# Altium PCB PCB_Amplifier_mini.PcbDoc (part 2 of 2) (continued)
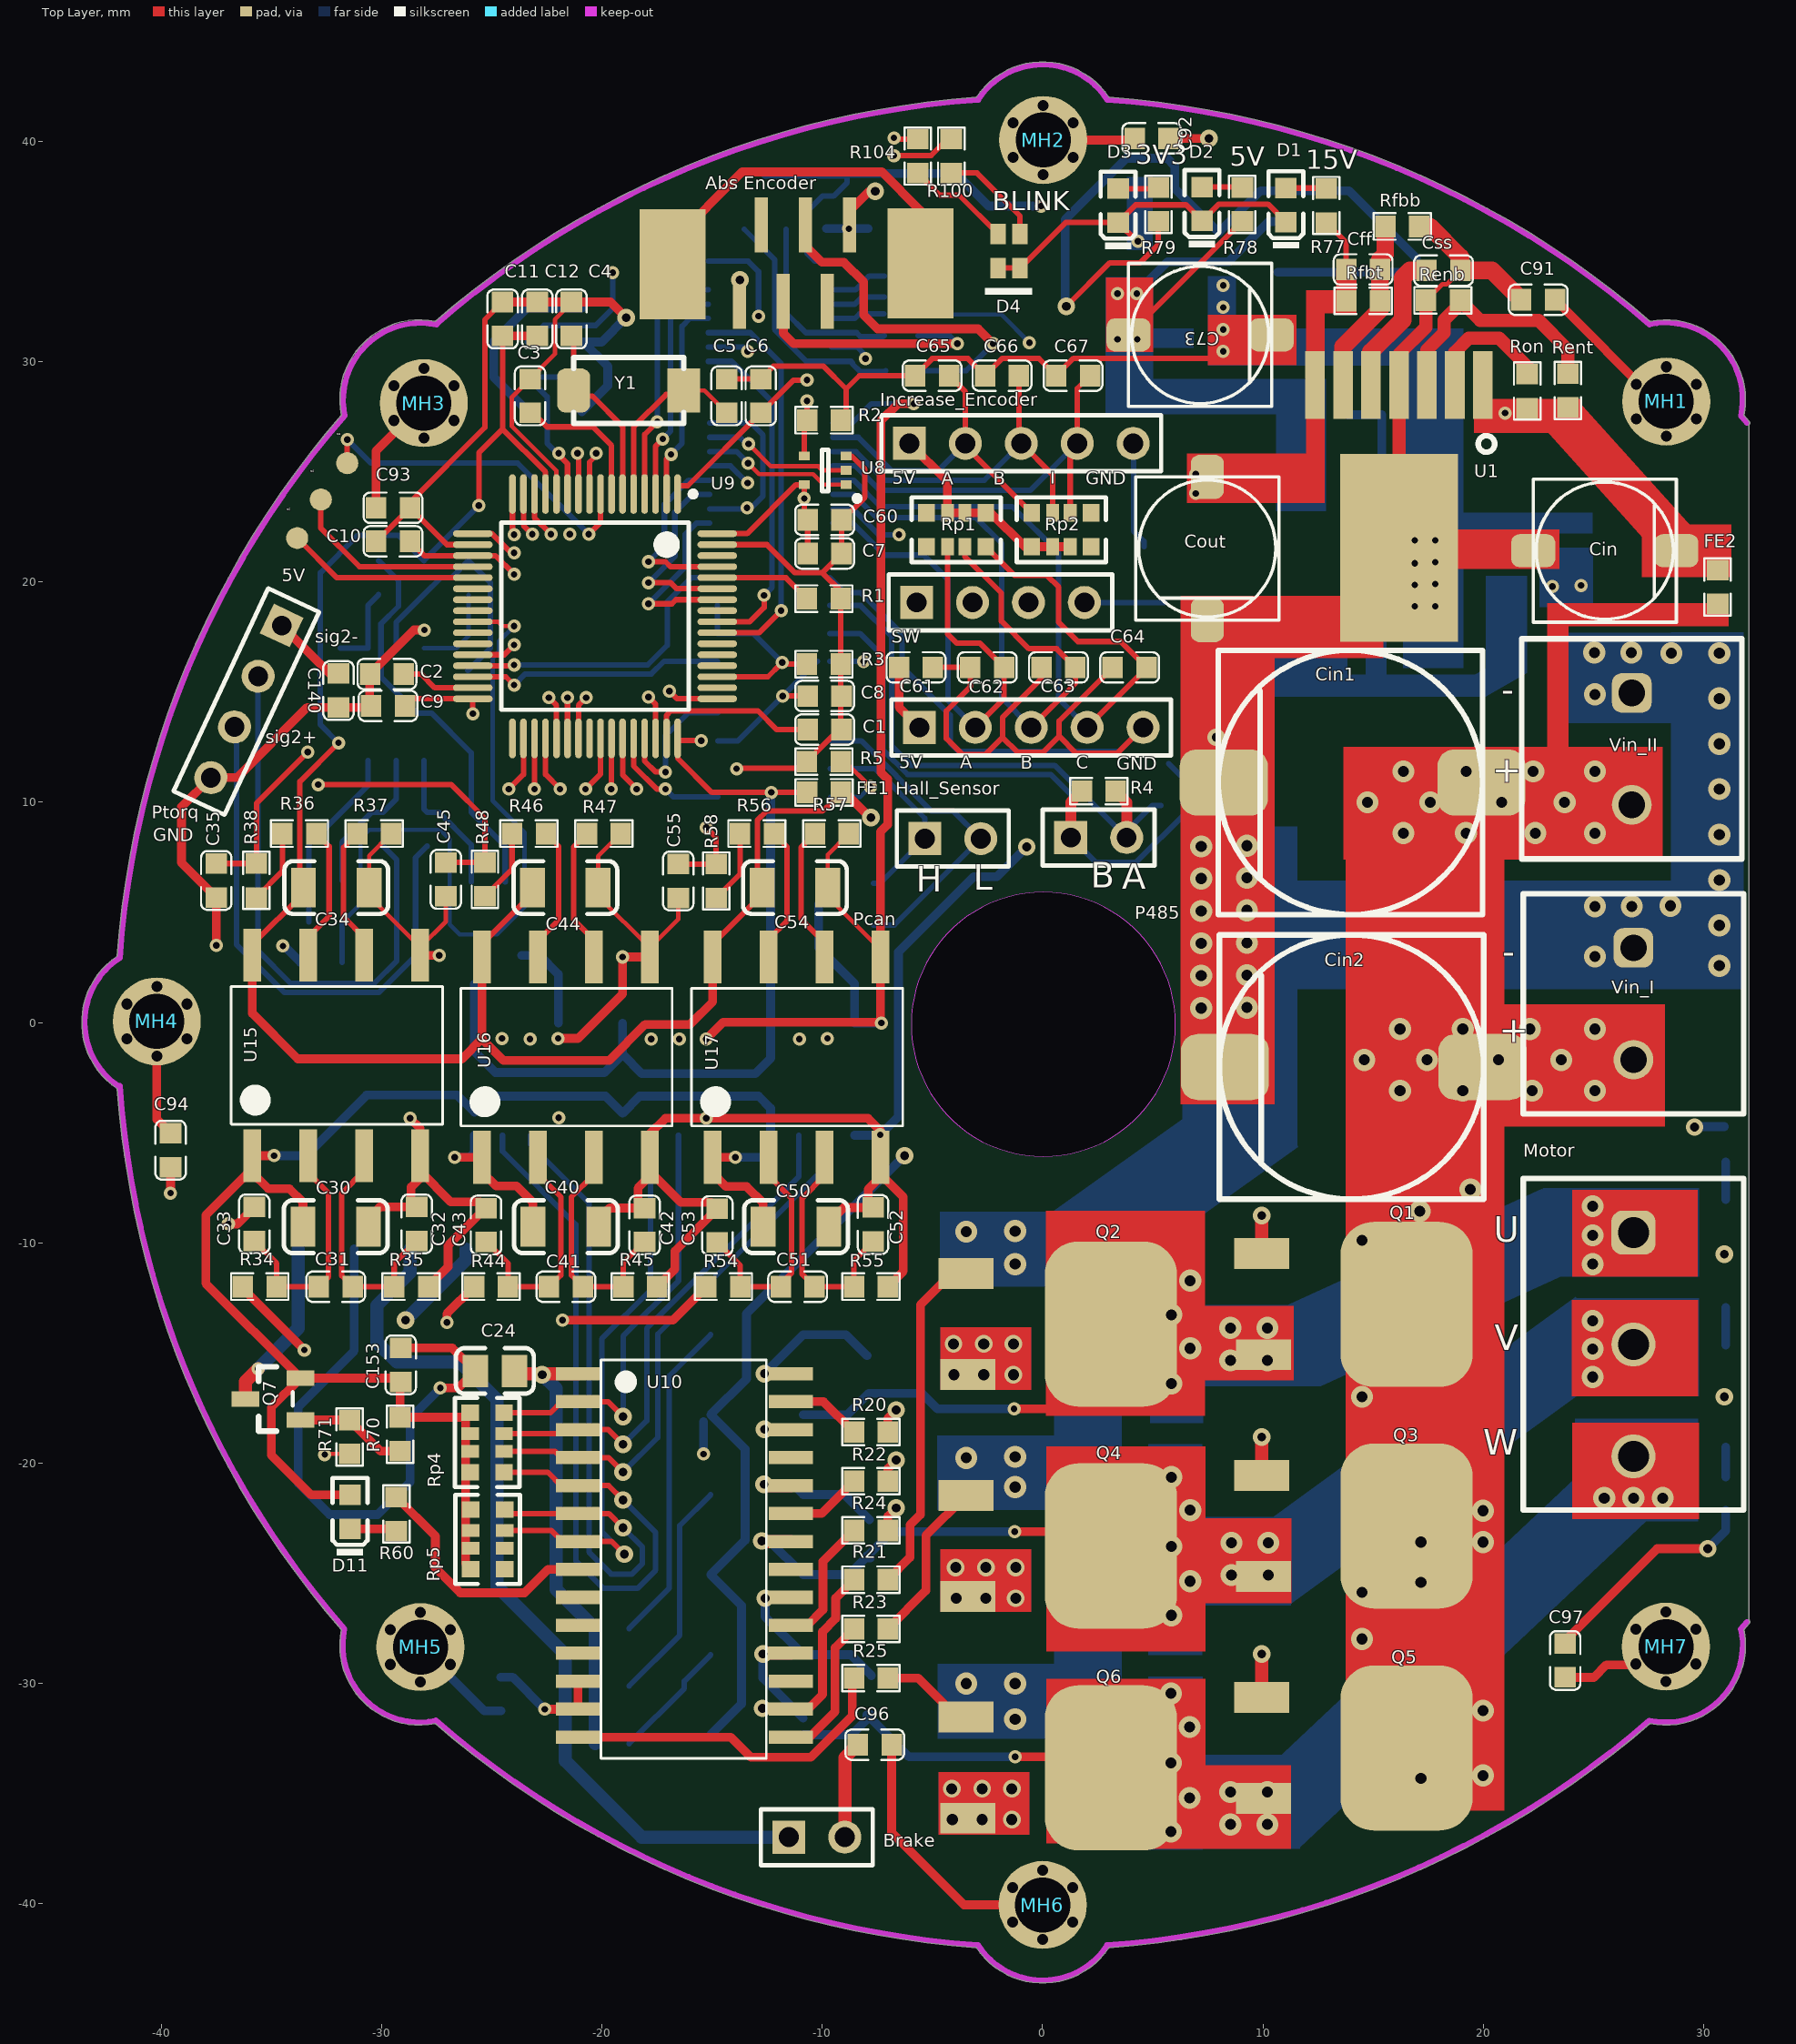
[diagram p0: Top Layer view]
## Nets (pads, with @x,y where several pads share a name; then routed paths per layer and width w, separated by ;. In a path a pad name is that pad's centre, name@x,y a point inside that pad or via, vN(x,y) a via of type N, cw(c..) or ccw(c..) an arc to the next point about the centre after c; other vN are vias at no path point) (continued)
NetCff_1: Cff.1 Rfbb.2 Rfbt.1 U1.6 | length 8.7
  Top Layer w0.8: U1.6@13.635,28.225 13.635,30.685 15.32,32.37 15.32,34.645 15.555,34.88 Rfbb.2@15.555,36.15
NetCo1_1: Co1.1 R31.2 | length 1.7
  Bottom Layer w0.4: Co1.1@31.02,-8.05 R31.2@31.02,-6.34
NetCo3_1: Co3.1 R32.2 | length 1.7
  Bottom Layer w0.4: Co3.1@31.02,-14.65 R32.2@31.02,-12.94
NetCo5_1: Co5.1 R33.2 | length 1.4
  Bottom Layer w0.4: Co5.1@31.02,-20.65 R33.2@31.02,-19.29
NetCss_2: Css.2 U1.5 | length 7.4
  Top Layer w0.8: U1.5@14.905,28.225 14.905,30.455 16.345,31.895 16.345,33.82 16.675,34.15 Css.2@17.43,34.15
NetD1_A: D1.A R77.1 | length 1.8
  Top Layer w0.25: D1.A@11.047,37.895 R77.1@12.85,37.895
NetD2_A: D2.A R78.1 | length 1.8
  Top Layer w0.25: D2.A@7.236,37.945 R78.1@9.039,37.945
NetD3_A: D3.A R79.1 | length 1.8
  Top Layer w0.25: D3.A@3.425,37.87 R79.1@5.203,37.87
NetD4_1: D4.1 R100.1 | length 4.8
  Top Layer w0.25: R100.1@-4.15,38.58 -2.98,38.58 -1.025,36.625 D4.1@-1.025,35.8
NetD4_2: D4.2 R104.1 | length 4.8
  Top Layer w0.25: R104.1@-5.675,38.58 -4.67,37.575 -3.8,37.575 D4.2@-2.025,35.8
NetD5_1: D5.1 R12.2 | length 14.9
  Bottom Layer w0.25: R12.2@-18.78,-27.525 -16.95,-25.695 -16.95,-16.05 D5.1@-15.075,-14.175
NetD7_1: D7.1 R13.2 | length 10.2
  Bottom Layer w0.25: R13.2@-18.78,-30.138 -16.475,-27.833 -16.475,-22.845 D7.1@-15.075,-21.445
NetD9_1: D9.1 R14.2 | length 5.6
  Bottom Layer w0.25: R14.2@-18.78,-32.75 -16.275,-30.245 -16.275,-29.915 D9.1@-15.075,-28.715
NetD11_K: D11.K R60.1 | length 2
  Top Layer w0.4: D11.K@-31.45,-22.995 R60.1@-29.45,-22.995
NetP485_1: P485.1 R4.1 U27.7 U29.2 | length 29.9
  Top Layer w0.5: P485.1@1.275,8.4 1.275,9.995 R4.1@1.78,10.5
  Bottom Layer w0.25: U27.7@-9.675,17.67 -8.295,17.67 -7.26,16.635 -7.26,12.39 -6.135,11.265 0.37,11.265 1.275,10.36 P485.1@1.275,8.4 2.4,7.275 4.25,7.275 6.45,9.475 6.45,11.025 U29.2@5.725,11.75
NetP485_2: P485.2 R4.2 U27.6 U29.1 | length 25.4
  Top Layer w0.5: R4.2@3.32,10.5 3.815,10.005 P485.2@3.815,8.4
  Bottom Layer w0.25: U27.6@-9.675,18.94 -8.265,18.94 -6.85,17.525 -6.85,12.56 -5.965,11.675 0.54,11.675 P485.2@3.815,8.4 3.815,8.69 4.975,9.85 U29.1@5.375,9.85
NetPcan_1: Pcan.1 U26.7 U28.1 | length 9.3
  Bottom Layer w0.25: U26.7@-9.65,11.52 -7.595,11.52 -5.35,9.275 Pcan.1@-5.35,8.35 -7.375,6.325 U28.1@-7.675,6.325
NetPcan_2: Pcan.2 U26.6 U28.2 | length 15.2
  Bottom Layer w0.25: U26.6@-9.65,12.79 -8.24,12.79 -5.05,9.6 -4.06,9.6 Pcan.2@-2.81,8.35 -6.735,4.425 U28.2@-7.675,4.425
NetQ1_1: Q1.1 R20.2 | length 27.7
  Top Layer w0.4: R20.2@-7.03,-18.6 -7.03,-17.98 v4(-6.65,-17.6)
  Top Layer w0.6: Q1.1@9.95,-10.5 v4(9.95,-8.775)
  VDD w0.4: v4(-6.65,-17.6) -6.65,-10.8 -3.925,-8.075 9.25,-8.075 v4(9.95,-8.775)
NetQ2_1: Q2.1 R21.2 | length 15.8
  Top Layer w0.4: R21.2@-7.03,-25.305 -6.025,-24.3 -6.025,-22.825 -5.55,-22.35 -5.55,-12.825 -4.125,-11.4 Q2.1@-3.475,-11.4
NetQ3_1: Q3.1 R22.2 | length 20.1
  Top Layer w0.4: R22.2@-7.03,-20.835 -7.03,-20.255 v4(-6.65,-19.875)
  Top Layer w0.6: Q3.1@9.95,-20.575 v4(9.95,-18.825)
  VDD w0.4: v4(-6.65,-19.875) -5.325,-18.55 9.675,-18.55 v4(9.95,-18.825)
NetQ4_1: Q4.1 R23.2 | length 7.5
  Top Layer w0.4: R23.2@-7.03,-27.54 -5.3,-25.81 -5.3,-23.3 Q4.1@-3.475,-21.475
NetQ5_1: Q5.1 R24.2 | length 24.5
  Top Layer w0.4: R24.2@-7.03,-23.07 -7.03,-22.43 v4(-6.65,-22.05)
  Top Layer w0.6: Q5.1@9.95,-30.65 v4(9.95,-28.675)
  VDD w0.4: v4(-6.65,-22.05) -6.65,-25.5 -3.475,-28.675 v4(9.95,-28.675)
NetQ6_1: Q6.1 R25.2 | length 4.3
  Top Layer w0.4: R25.2@-7.03,-29.775 -5.65,-29.775 -3.875,-31.55 Q6.1@-3.475,-31.55
NetQ7_1: Q7.1 R70.1 R71.2 | length 5.1
  Top Layer w0.4: Q7.1@-33.7,-18.05 -31.48,-18.05 R71.2@-31.475,-18.055 -30.06,-19.47 R70.1@-29.175,-19.47
NetQ7_3: Q7.3 U21.1 | length 7.8
  Top Layer w0.6: Q7.3@-36.2,-17.1 -36.2,-16.3 v1(-35.625,-15.725)
  Bottom Layer w0.6: v1(-35.625,-15.725) -33.8,-13.9 U21.1@-33.8,-10.29
NetR1_2: R1.2 U9.60 | length 4.5
  Top Layer w0.25: U9.60@-14.775,20.2 -11.655,20.2 R1.2@-10.705,19.25
NetR5_1: R5.1 U26.8 | length 3.8
  Top Layer w0.2: R5.1@-9.165,11.85 -8.975,11.85 v1(-7.825,10.7)
  Bottom Layer w0.2: U26.8@-9.65,10.25 -8.275,10.25 v1(-7.825,10.7)
NetR36_1: R36.1 U15.7 | length 5.3
  Top Layer w0.25: U15.7@-33.345,3.88 -32.4,4.825 -32.4,7.995 R36.1@-32.98,8.575
NetR36_2: R36.2 R38.1 | length 3.4
  Top Layer w0.25: R38.1@-35.7,5.68 -34.52,6.86 R36.2@-34.52,8.575
NetR37_1: R37.1 U15.6 | length 5.4
  Top Layer w0.25: R37.1@-31.12,8.575 -31.75,7.945 -31.75,4.8 U15.6@-30.805,3.855
NetR46_1: R46.1 U16.7 | length 5.5
  Top Layer w0.25: U16.7@-22.92,3.705 -21.975,4.65 -21.975,7.995 R46.1@-22.555,8.575
NetR46_2: R46.2 R48.1 | length 3.4
  Top Layer w0.25: R48.1@-25.325,5.73 -24.095,6.96 R46.2@-24.095,8.575
NetR47_1: R47.1 U16.6 | length 5.5
  Top Layer w0.25: R47.1@-20.695,8.575 -21.3,7.97 -21.3,4.675 U16.6@-20.38,3.755
NetR56_1: R56.1 U17.7 | length 5.4
  Top Layer w0.25: U17.7@-12.445,3.78 -11.6,4.625 -11.6,7.97 R56.1@-12.205,8.575
NetR56_2: R56.2 R58.1 | length 3.4
  Top Layer w0.25: R58.1@-14.825,5.655 -13.745,6.735 R56.2@-13.745,8.575
NetR57_1: R57.1 U17.6 | length 5.6
  Top Layer w0.25: R57.1@-10.345,8.575 -10.975,7.945 -10.975,4.7 U17.6@-9.905,3.63
NetR60_2: R60.2 U10.8 | length 11.3
  Top Layer w0.4: R60.2@-29.35,-21.555 -27.575,-23.33 -27.575,-24.775 -26.45,-25.9 -23.525,-25.9 -22.465,-24.84 U10.8@-21.1,-24.84
NetR75_1: R75.1 R76.2 U.4 | length 5.5
  Bottom Layer w0.4: R75.1@13.85,27.6 R76.2@15.4,27.6 15.4,24.105 U.4@15.1,23.805
NetR81_1: R81.1 U19.16 U20.2 | length 11
  Bottom Layer w0.25: U20.2@-13.55,36.025 -12.175,34.65 -12.175,31.475 -10.725,30.025 U19.16@-9.575,30.025 -8.7,30.025 -8.635,29.96 -8.635,29.908 -8.292,29.565 -7.155,29.565 R81.1@-7.12,29.6
NetR87_1: R87.1 U22.1 U22.2 | length 3.9
  Bottom Layer w0.25: U22.1@-31.9,17 U22.2@-30.63,17 -30.63,18.95 R87.1@-30.15,19.43
NetR100_2: R100.2 U9.9 | length 25.6
  Top Layer w0.25: U9.9@-20.575,24 -20.575,25.45 v1@-20.275,25.75 ; v1(-6.755,39.37) -5.067,39.37 -4.317,40.12 R100.2@-4.15,40.12
  GND w0.25: v1(-20.275,25.85) -20.275,28.725 -9.63,39.37 v1(-6.755,39.37)
NetR101_1: R101.1 R102.2 R103.2 | length 8.4
  Bottom Layer w0.4: R103.2@-23.4,27.78 -24.925,29.305 -24.925,30.92 R101.1@-23.4,32.445 R102.2@-20.925,32.445
NetR104_2: R104.2 U9.10 | length 24.9
  Top Layer w0.25: U9.10@-21.075,24 v1@-21.075,25.85 ; v1(-6.75,40.175) -6.75,40.125 -6.745,40.12 R104.2@-5.675,40.12
  GND w0.25: v1@-21.075,25.85 -21.075,28.725 -9.63,40.17 -6.755,40.17 v1(-6.75,40.175)
  other v1: -21.125,25.85
NetRenb_2: Renb.2 Rent.2 U1.3 | length 11.4
  Top Layer w0.6: U1.3@17.445,28.95 17.445,30.545 18.225,31.325 18.225,31.909 18.945,32.629 Renb.2@18.945,32.8 19.87,31.875 22.525,31.875 23.85,30.55 Rent.2@23.85,29.47
NetRon_2: Ron.2 U1.2 | length 6.6
  Top Layer w0.6: U1.2@18.715,28.225 18.715,30.44 19.35,31.075 20.725,31.075 22,29.8 Ron.2@22,29.445
NetRp3_1: Rp3.1 U19.14 U20.1 | length 8.7
  Bottom Layer w0.25: U20.1@-11.65,36.025 -11.65,32.225 -10.75,31.325 U19.14@-9.575,31.325 -8.45,31.325 -8.275,31.15 -7.245,31.15 Rp3.1@-7.195,31.2
NetRp3_2: Rp3.2 U19.13 | length 2.4
  Bottom Layer w0.25: U19.13@-9.575,31.975 -8.525,31.975 -8.325,32.175 Rp3.2@-7.22,32.175
NetRp3_3: Rp3.3 U19.12 | length 2.5
  Bottom Layer w0.25: U19.12@-9.575,32.625 -8.525,32.625 -8.2,32.95 Rp3.3@-7.195,32.95
NetRp3_4: Rp3.4 U19.11 | length 2.6
  Bottom Layer w0.25: U19.11@-9.575,33.275 -8.5,33.275 -7.875,33.9 Rp3.4@-7.195,33.9
Nettp3_1: tp3.1 U9.8 | length 15.9
  Top Layer w0.25: tp3.1@-31.575,25.4 v1(-31.575,26.475) ; v1(-20.612,22.175) -20.075,22.712 U9.8@-20.075,24
  Bottom Layer w0.25: v1(-31.575,26.475) -30.5,25.4 -23.838,25.4 v1(-20.612,22.175)
OPEN_SIG: Rp3.5
REF_165: C86.2 R87.2 R96.2 | length 18
  Bottom Layer w0.25: R87.2@-30.15,20.97 -29.25,20.07 -29.25,18.9 -30.045,18.105 -30.045,15.695 -28.4,14.05 -27.75,14.05 -25.95,12.25 R96.2@-25.95,9.545 -24.405,8 C86.2@-24.405,6.375
RS485_SIG: R3.1 U9.51 U27.2 U27.3 | length 9.1
  Top Layer w0.25: U9.51@-14.775,15.7 -12.475,15.7 -11.9,16.275 R3.1@-10.705,16.275
  Bottom Layer w0.25: U27.3@-14.775,18.94 U27.2@-14.775,17.67 -13.145,17.67 v1(-11.825,16.35)
SEN_1_RAW: Q2.3 R26.2 R54.1 | length 25.4
  Top Layer w0.4: v1(-21.8,-13.525) -16.795,-13.525 R54.1@-15.27,-12
  GND w0.4: v1(-21.8,-13.525) -5.125,-13.525 v3(-4.05,-14.6)
  other v3: -4.025,-16 -2.675,-16 -1.325,-16 -2.675,-14.6 -1.325,-14.6
SEN_2_RAW: Q4.3 R27.2 R44.1 | length 33.9
  Top Layer w0.4: v1(-27.05,-13.625) -27.05,-13.23 R44.1@-25.82,-12
  GND w0.4: v1(-27.05,-13.625) -26.4,-14.275 -7.45,-14.275 -4.775,-16.95 -4.775,-23.925 v3(-3.95,-24.75)
  other v3: -3.925,-26.15 -2.575,-26.15 -1.225,-26.15 -2.575,-24.75 -1.225,-24.75
SEN_3_RAW: Q6.3 R28.2 R34.1 | length 51.1
  Top Layer w0.4: R34.1@-36.32,-12 -36.32,-12.08 v1@-33.5,-14.9
  GND w0.4: v1(-33.525,-14.875) -33.3,-15.1 -7.85,-15.1 -5.725,-17.225 -5.725,-33.2 v3(-4.125,-34.8)
  other v3: -4.1,-36.2 -2.75,-36.2 -1.4,-36.2 -2.75,-34.8 -1.4,-34.8
SIG_2_+: C85.1 Ptorq.3 R95.2 R98.1 | length 25.4
  Bottom Layer w0.25: Ptorq.3@-36.697,13.421 -36.246,13.421 -36.6,13.067 -36.6,3.525 -34.44,1.365 -30.135,1.365 -28.475,3.025 -28.475,7.48 R95.2@-27.95,8.005
SIG_2_-: C85.2 Ptorq.2 R94.2 R98.2 | length 25.3
  Bottom Layer w0.25: Ptorq.2@-35.623,15.723 -35.623,3.248 -34.15,1.775 -30.35,1.775 -29.325,2.8 -29.325,7.38 R94.2@-29.95,8.005
SPI1_CLK: U9.55 U19.3 | length 18.4
  Top Layer w0.25: U9.55@-14.775,17.7 -12.875,17.7 v1(-11.875,18.7)
  Bottom Layer w0.25: U19.3@-15.175,31.325 -13.275,31.325 -11.875,29.925 v1(-11.875,18.7)
SPI1_MISO: U9.56 U19.1 | length 15.5
  Top Layer w0.25: U9.56@-14.775,18.2 -13.3,18.2 -12.65,18.85 v1(-12.65,19.4)
  Bottom Layer w0.25: U19.1@-15.175,30.025 -14.125,30.025 -12.285,28.185 -12.285,19.765 v1(-12.65,19.4)
SPI1_MOSI: U9.57
SSI_CLK: "Abs Encoder.4" Rp3.8 | length 11.5
  Top Layer w0.4: -11.775,32.75 -11.775,31.3 -11.3,30.825 v1(-3.875,30.825)
  Bottom Layer w0.25: Rp3.8@-5.655,31.2 -4.25,31.2 v1(-3.875,30.825)
SSI_DATA: "Abs Encoder.3" R81.2 | length 16
  Top Layer w0.4: -10.775,36.225 -10.775,35.275 -10.025,34.525 -9.025,34.525 -8.125,33.625 -8.125,32.125 -7.5,31.5 -2.925,31.5 v1(-2.25,30.825)
  Bottom Layer w0.25: R81.2@-5.58,29.6 -3.475,29.6 v1(-2.25,30.825)
SWCLK: SW.2 U9.49 | length 17.8
  Top Layer w0.25: v1(-16.95,15.05) -16.6,14.7 U9.49@-14.775,14.7
  GND w0.25: v1(-16.95,15.05) -14.4,17.6 -4.66,17.6 SW.2@-3.185,19.075
SWDIO: SW.3 U9.46 | length 21.4
  Top Layer w0.25: v1(-17.9,14.775) -17.575,14.45 U9.46@-17.575,12.9
  GND w0.25: v1(-17.9,14.775) -17.525,14.4 -16.75,14.4 -14.075,17.075 -2.645,17.075 SW.3@-0.645,19.075
TIM1_CH1: U9.41 U12.3 | length 15.7
  Top Layer w0.25: v1(-20.755,10.6) -20.075,11.28 U9.41@-20.075,12.9
  VDD w0.25: v1(-20.755,10.6) -16.925,6.77 -16.925,-0.325 v1(-16.5,-0.75)
TIM1_CH1N: U9.34 U13.2 | length 20.8
  Top Layer w0.25: v1(-24.235,10.6) -23.575,11.26 U9.34@-23.575,12.9
  VDD w0.25: v1(-24.55,-0.725) -23.15,0.675 -19.775,0.675 -18.425,2.025 -18.425,4.79 v1(-24.235,10.6)
TIM1_CH2: U9.42 U11.2 | length 18.9
  Top Layer w0.25: v1@-19.575,10.6 U9.42@-19.575,12.9
  VDD w0.25: v1(-19.595,10.6) -16.425,7.43 -16.425,1.75 -14.6,-0.075 -11.725,-0.075 v1(-11.05,-0.75)
TIM1_CH2N: U9.35 U13.3 | length 19.8
  Top Layer w0.25: v1(-23.075,10.6) U9.35@-23.075,12.9
  VDD w0.25: v1(-23.275,-0.75) -22.375,0.15 -19.375,0.15 -17.9,1.625 -17.9,5.425 v1(-23.075,10.6)
TIM1_CH3: U9.43 U11.3 | length 19.4
  Top Layer w0.25: U9.43@-19.075,12.9 -19.075,11.24 v1(-18.435,10.6)
  VDD w0.25: v1(-18.435,10.6) -15.9,8.065 -15.9,2.125 -14.2,0.425 -10.925,0.425 v1(-9.775,-0.725)
TIM1_CH3N: U9.36 U12.2 | length 16
  Top Layer w0.25: U9.36@-22.575,12.9 -22.575,11.26 v1(-21.915,10.6)
  VDD w0.25: v1(-21.915,10.6) -17.375,6.06 -17.375,-0.35 v1(-17.775,-0.75)
TIM3_CH1: U8.2 U9.37 U18.7 | length 25.1
  Top Layer w0.2: v1(-13.35,26.275) -12.335,25.26 -10.185,25.26 -10,25.075 U8.2@-8.925,25.075
  Top Layer w0.25: v1(-22.425,14.75) -22.075,14.4 U9.37@-22.075,12.9
  GND w0.25: v1(-22.425,14.75) -22.425,18.71 -14.86,26.275 v1(-13.35,26.275)
  Bottom Layer w0.25: U18.7@-15.125,26.575 -13.745,26.575 -13.36,26.19 -13.35,26.2 v1(-13.35,26.275)
TIM3_CH2: U8.1 U9.38 U18.6 | length 23.8
  Top Layer w0.2: v1(-13.375,25.4) -12.875,24.9 -10.425,24.9 -9.95,24.425 U8.1@-8.925,24.425
  Top Layer w0.25: U9.38@-21.575,12.9 v1(-21.575,14.75)
  GND w0.25: v1(-21.575,14.75) -21.575,18.98 -15.155,25.4 v1(-13.375,25.4)
  Bottom Layer w0.25: U18.6@-15.125,25.925 -13.9,25.925 v1(-13.375,25.4)
TIM3_CH3: U9.39 U18.5 | length 18
  Top Layer w0.25: U9.39@-21.075,12.9 -21.075,14.4 v1(-20.725,14.75)
  GND w0.25: v1(-20.725,14.75) -20.725,19.25 -15.475,24.5 v1(-13.4,24.5)
  Bottom Layer w0.25: U18.5@-15.125,25.275 -14.175,25.275 v1(-13.4,24.5)
TIM4_CH1: U9.58 U18.1 | length 8.4
  Top Layer w0.25: v1(-17.9,19.015) -16.835,19.015 -16.65,19.2 U9.58@-14.775,19.2
  Bottom Layer w0.25: v1(-17.9,19.015) -16.225,20.69 -16.225,22.175 -15.725,22.675 U18.1@-15.125,22.675
TIM4_CH2: U9.59 U18.3 | length 8.8
  Top Layer w0.25: v1(-17.9,19.97) -16.895,19.97 -16.625,19.7 U9.59@-14.775,19.7
  Bottom Layer w0.25: v1(-17.9,19.97) -16.7,21.17 -16.7,23.175 -15.9,23.975 U18.3@-15.125,23.975
TIM4_CH3: U9.61 U18.4 | length 8.6
  Top Layer w0.25: v1(-17.9,20.925) -17.125,20.925 -16.9,20.7 U9.61@-14.775,20.7
  Bottom Layer w0.25: v1(-17.9,20.925) -17.175,21.65 -17.175,23.525 -16.075,24.625 U18.4@-15.125,24.625
TIM5_CH1: R2.2 U8.4 U9.14 | length 18.6
  Top Layer w0.25: U9.14@-23.075,24 -23.075,22.925 v1(-22.325,22.175) ; U8.4@-10.825,25.725 R2.2@-10.825,27.22 ; v1(-10.7,28.225) -10.695,28.22 R2.2@-10.695,27.35
  GND w0.25: v1(-22.325,22.175) -21.2,23.3 -18.414,23.3 -13.539,28.175 v1@-10.7,28.175
U_COIL: C21.2 Co1.2 Co2.2 D6.2 Motor.1 Q1.3 Q2.2 U10.26 | length 13
  Top Layer w0.4: v1(-1.3,-17.55) 0.25,-17.55 0.3,-17.6
  Bottom Layer w0.4: v4(-12.625,-18.475) D6.2@-11.54,-18.475 ; D6.2@-10.875,-17.81 -8.87,-17.81 C21.2@-7.975,-16.915 -7.9,-16.84 -5.485,-16.84 -4.775,-17.55 v1(-1.3,-17.55)
  other v2: 5.85,-16.4 8.525,-15.35 10.2,-15.35 6.7,-14.8 8.525,-13.875 10.2,-13.875 5.85,-13.275 6.7,-11.725 24.975,-10.975 24.975,-9.663 24.975,-8.35
USART3_RX: U9.30 U27.1 | length 11.7
  Top Layer w0.25: U9.30@-25.875,15.7 -24.375,15.7 v1(-24,15.325)
  Bottom Layer w0.25: v1(-24,15.325) -23.499,15.826 -17.769,15.826 -17.195,16.4 U27.1@-14.775,16.4
USART3_TX: U9.29 U27.4 | length 13.9
  Top Layer w0.25: U9.29@-25.875,16.2 v1@-24.036,16.2
  Bottom Layer w0.25: v1(-24,16.236) -17.939,16.236 -17.05,17.125 -17.05,19.1 -15.94,20.21 U27.4@-14.775,20.21
V_COIL: C22.2 Co3.2 Co4.2 D8.2 Motor.2 Q3.3 Q4.2 U10.22 | length 18.2
  Top Layer w0.4: v1(-1.275,-23.125) Q4.2@2.45,-23.125
  Top Layer w0.6: v4@-12.73,-23.57 U10.22@-11.425,-23.57
  Bottom Layer w0.4: v4(-12.75,-23.55) -12.405,-23.55 D8.2@-10.875,-25.08 -8.805,-25.08 -8.04,-24.315 C22.2@-7.975,-24.315 ; C22.2@-7.825,-24.315 C22.2@-7.975,-24.315 ; v1(-1.275,-23.125) -6.841,-23.125 -7.931,-24.215 C22.2@-7.975,-24.215 C22.2@-7.975,-24.315
  other v2: 5.85,-26.925 6.7,-25.375 8.575,-25.1 10.25,-25.1 5.85,-23.8 8.575,-23.625 10.25,-23.625 6.7,-22.15 5.85,-20.65 24.975,-16.1 24.975,-14.825 24.975,-13.55
VIN: Cin.2 FE2.1 R101.2 Rent.1 Ron.1 U1.1 | length 54.5
  VDD w0.25: v1(-19.525,34.05) -15.025,38.55 -6.55,38.55 -4.175,36.175 14.95,36.175 21,30.125 v1(21,27.675)
  Bottom Layer w0.25: R101.2@-23.4,30.905 -22.65,31.655 -20.295,31.655 -19.525,32.425 v1(-19.525,34.05)
VIN_P: Cin1.1 Cin2.1 FE2.2 Q1.2 Q3.2 Q5.2 U21.4 Vin_I.2 Vin_II.2 | length 51.9
  GND w0.6: v4(-28.925,-13.525) -23.2,-7.8 16.275,-7.8
  Bottom Layer w0.6: v4(-28.925,-13.525) -26.18,-10.78 U21.4@-26.18,-10.29
  other v2: 17.175,-34.325 20,-34.2 20,-31.25 14.5,-28 14.5,-25.875 17.175,-25.425 17.175,-23.6 20,-23.6 20,-22.175 14.5,-17 14.5,-9.9 17.125,-8.575 19.425,-7.575 16.225,-3.1 19.075,-3.1 22.225,-3.1 25.075,-3.1 14.6,-1.7 17.45,-1.7 20.7,-1.7 23.55,-1.7 16.225,-0.3 19.075,-0.3 22.125,-0.3 25.075,-0.3 16.375,8.6 19.225,8.6 22.375,8.6 25.075,8.6 14.75,10 17.6,10 20.85,10 23.7,10 16.375,11.4 19.225,11.4 22.275,11.4 25.075,11.4
W_COIL: C23.2 Co5.2 Co6.2 D10.2 Motor.3 Q5.3 Q6.2 U10.18 | length 19.8
  Top Layer w0.4: v1(-1.25,-33.35) Q6.2@2.6,-33.35
  Top Layer w0.6: v4@-12.675,-28.65 U10.18@-11.425,-28.65
  Bottom Layer w0.4: v4(-12.7,-28.675) -12.7,-29.775 D10.2@-10.875,-31.6 ; D10.2@-10.875,-32.35 -8.685,-32.35 -7.975,-31.64 C23.2@-7.975,-31.44 C23.2@-7.875,-31.54 ; C23.2@-7.775,-31.44 C23.2@-7.875,-31.54 ; v1(-1.25,-33.35) -6.065,-33.35 C23.2@-7.875,-31.54
  other v2: 5.825,-36.75 8.525,-36.425 10.2,-36.425 6.675,-35.225 8.525,-34.95 10.2,-34.95 5.825,-33.625 6.675,-32 5.825,-30.475 25.5,-21.6 26.825,-21.6 28.15,-21.6
pads on no net: "Abs Encoder.2" "Abs Encoder.5" Rp1.1 Rp1.8 Rp2.1 Rp2.8 Rp5.1 Rp5.2 U9.33 U9.40 U9.50 U9.52 U9.53 U9.54 U9.62 U10.9 U10.10 U10.11 U10.17 U10.21 U10.25 U19.7 U19.10 U21.5 U21.6 U21.7 U21.9 U26.5 U.2 U.3 U.5
copper on no net:
  other v1: -21.475,22.175

## Keep-outs
Keep-Out Layer:
  lines w0.254: -41.926,-2.922 cw(c-40,0) -41.895,2.943 ; -41.901,-2.884 ccw(c0,0) -31.706,-27.545 ; -41.897,2.943 cw(c0,0) -31.692,27.562 cw(c-28.263,28.266) -27.523,31.687 ; -31.705,-27.544 ccw(c-28.284,-28.284) -27.58,-31.713 ; -27.562,-31.692 ccw(c0,0) -2.943,-41.897 ; -27.545,31.706 cw(c0,0) -2.92,41.898 ; -2.943,-41.895 ccw(c0,-40) 2.922,-41.926 ; -2.922,41.926 cw(c0,40) 2.943,41.895 ; 2.906,-41.899 ccw(c0,0) 27.545,-31.706 ; 2.931,41.898 cw(c0,0) 27.562,31.692 ; 27.544,-31.705 ccw(c28.284,-28.284) 31.713,-27.58 ; 27.58,31.713 cw(c28.284,28.284) 31.705,27.544 ; 31.692,-27.562 ccw(c0,0) 31.98,-27.227 ; 31.706,27.545 cw(c0,0) 31.977,27.23

## Other copper
Top Layer:
  rectangle net 15V: 11.95,23.6 12.8,33.225
  rectangle net W_COIL: 24.05,-22.55 29.8,-18.175
  rectangle net V_COIL: 24.025,-16.975 29.775,-12.6
  rectangle net U_COIL: 24.05,-11.55 29.75,-7.6
  rectangle net VIN_P: 15.775,-4.725 28.25,0.825
  rectangle net VIN_P: 13.65,7.4 28.15,12.525
  rectangle net GND: 6.25,-3.725 10.525,19.375
  rectangle net VIN: 27.2,20.225 31.275,22.625
  rectangle net 15V: 6.55,23.6 12.725,25.85
  rectangle net VIN_P: 22.9,11.3 23.875,19.05
  rectangle net VIN_P: 22.9,18 31.15,19.05
  region net VIN: 28.75,20.35 30.217,21.672 24.316,28.224 22.848,26.902
  rectangle net VIN: 19.575,26.775 24.425,28.325
  rectangle net GND: 17.075,20.6 23.475,22.4
  rectangle net GND: 6.65,16.55 15.475,19.375
  rectangle net U_COIL: 0.15,-17.875 7.375,-8.55
  rectangle net V_COIL: 0.175,-28.575 7.4,-19.25
  rectangle net W_COIL: 0.175,-37.275 7.4,-29.8
  rectangle net SEN_1_RAW: -4.65,-16.7 -0.525,-13.85
  rectangle net SEN_2_RAW: -4.65,-26.775 -0.525,-23.925
  rectangle net U_COIL: 1.85,-16.25 11.4,-12.875
  rectangle net V_COIL: 2.2,-26.375 11.3,-22.525
  rectangle net W_COIL: 2.625,-37.525 11.275,-33.725
  rectangle net SEN_3_RAW: -4.725,-36.9 -0.6,-34.05
  rectangle net VIN_P: 13.75,-35.8 20.975,12
  rectangle net 15V: 11.95,32.2 14.25,33.25
  rectangle net 15V: 13.325,32.2 14.25,34.175
  rectangle net 5V: 2.875,30.45 5.025,33.825
  rectangle net GND: 7.5,29.85 11.525,32.15
GND:
  rectangle net GND: 7.45,29.825 8.9,36.45
  rectangle net GND: 3.8,35.05 8.9,36.45
  rectangle net GND: 3.8,35.05 5,38.35
  rectangle net V_COIL: 23.975,-16.975 29.7,-12.625
  rectangle net U_COIL: 23.975,-11.575 29.675,-7.55
  rectangle net GND: 23.3,13.55 31.85,17.7
  rectangle net GND: 28.825,-5.35 31.85,17.7
  rectangle net VIN_P: 13.675,7.425 28.125,12.525
  rectangle net VIN_P: 14.1,-4.6 28.225,0.8
  rectangle net VIN_P: 13.35,-35.9 20.875,12.55
VDD:
  rectangle net GND: 28.175,1.475 31.85,17.7
  rectangle net GND: 23.25,13.5 31.85,17.7
  rectangle net W_COIL: 0.45,-37.575 7.4,-29.575
  rectangle net W_COIL: 7.125,-37.575 11.3,-33.55
  rectangle net V_COIL: 0.375,-27.725 7.45,-19.85
  rectangle net V_COIL: 7.3,-26.425 11.45,-22.475
  rectangle net U_COIL: 0.375,-17.9 7.375,-8.975
  rectangle net 15V: 6.55,23.575 24.35,25.375
  rectangle net 15V: 22.075,18.95 25,25.375
  rectangle net 15V: 10.95,-1.325 12.125,25.225
  rectangle net U_COIL: 7.275,-16.7 10.95,-12.675
Bottom Layer:
  rectangle net GND: 3.825,35.075 5,38.4
  rectangle net GND: 7.5,29.825 8.775,33.9
  rectangle net 5V: 4.825,30.625 6.85,31.525
  rectangle net W_COIL: 24.175,-22.65 29.775,-18
  rectangle net V_COIL: 24.1,-16.975 29.8,-12.525
  rectangle net U_COIL: 22.725,-11.55 29.8,-7.525
  rectangle net GND: 23.3,1.5 31.35,6.375
  rectangle net GND: 28.525,1.5 31.825,17.725
  rectangle net GND: 23.3,13.6 31.35,17.7
  rectangle net W_COIL: 4.8,-37.575 7.275,-29.7
  rectangle net V_COIL: 4.8,-28.725 7.25,-19.15
  rectangle net U_COIL: 4.875,-18.2 7.3,-11.025
  rectangle net GND: 11.15,1.5 31.6,6.45
  rectangle net SEN_2_RAW: -4.65,-26.775 -0.525,-23.925
  rectangle net SEN_1_RAW: -4.65,-16.7 -0.525,-13.85
  rectangle net SEN_3_RAW: -4.725,-36.9 -0.6,-34.05
  rectangle net U_COIL: 4.875,-16.525 12.65,-12.825
  region net U_COIL: 12.631,-16.523 24.355,-11.161 22.698,-7.537 10.974,-12.899
  rectangle net V_COIL: 4.9,-26.475 11.275,-22.45
  region net V_COIL: 11.235,-26.451 26.371,-15.435 24.2,-12.451 9.063,-23.467
  rectangle net W_COIL: 5,-37.525 11.7,-33.25
  region net W_COIL: 11.639,-37.506 28.146,-21.961 25.652,-19.313 9.146,-34.858
  region net NetC72_1: 13.85,18.75 8.725,18.75 8.725,14.8 13.85,14.8
  region net 5V: 12.875,29.225 10.6,29.225 10.6,23.225 12.875,23.225
  region net NetC72_2: 15.9,20.325 14.325,20.325 14.325,18.4 15.9,18.4
  region net NetC72_1: 20.15,15.8 8.775,15.8 8.775,14.8 20.15,14.8
  region net NetC72_1: 21.429,16.844 19.585,15.779 20.15,14.8 21.995,15.865
  region net NetC72_1: 21.995,20.275 20.12,20.275 20.12,15.865 21.995,15.865
  region net GND: 19.1,31.5 16.35,31.5 16.35,16.1 19.1,16.1
  region net 15V: 22.775,21.575 19.725,21.575 19.725,20.775 22.775,20.775
  region net GND: 24.975,23.15 18.9,23.15 18.9,22.2 24.975,22.2
  rectangle net GND: -4.675,-12 1.625,-8.6
  rectangle net GND: -4.8,-22.15 1.775,-18.75
  rectangle net GND: -4.775,-32.525 1.8,-29.125
  rectangle net GND: 0.525,-32.575 3.6,-8.6
  region net NetC72_1: 14.675,17.825 14.675,15.375 15.625,15.375 15.625,17.825
  region net GND: 2.654,-12.039 11.605,-5.661 9.226,-2.322 0.275,-8.7
  rectangle net GND: 6.35,-5.675 11.575,8.9
  rectangle net 5V: 2.85,27.625 12.875,29.225
  rectangle net 5V: 2.85,28.55 5.025,33.85
  rectangle net GND: 7.5,29.825 19.1,31.525
  rectangle net 15V: 22.55,18.85 25,21.575

## Silkscreen, mask and mechanical layers (free items; w line width, h text height)
Top Overlay:
  text "3V3" at 4.225,38.7 h1.5
  text "5V" at 8.5,38.625 h1.5
  text "15V" at 11.95,38.475 h1.5
  text "BLINK" at -2.275,36.6 h1.5
  text "I" at 0.35,24.275 h1
  text "5V" at -6.825,24.25 h1
  text "A" at -4.6,24.225 h1
  text "B" at -2.25,24.225 h1
  text "GND" at 1.95,24.225 h1
  text "5V" at -34.55,19.825 h1
  text "sig2-" at -33.05,17.025 h1
  text "-" at 20.825,14.175 h2
  text "sig2+" at -35.3,12.475 h1
  text "5V" at -6.525,11.325 h1
  text "A" at -3.75,11.325 h1
  text "B" at -1,11.3 h1
  text "C" at 1.525,11.3 h1
  text "GND" at 3.35,11.275 h1
  text "+" at 20.425,10.525 h2
  text "GND" at -40.4,8.025 h1
  text "B" at 2.175,5.725 h2
  text "A" at 3.6,5.675 h2
  text "L" at -3.15,5.625 h2
  text "H" at -5.75,5.55 h2
  text "-" at 20.875,2.275 h2
  text "+" at 20.725,-1.3 h2
  text "U" at 20.475,-10.35 h2
  text "V" at 20.525,-15.275 h2
  text "W" at 20,-20.025 h2
Top Paste:
  rectangle: 0.65,-28.325 7.425,-19.475
  rectangle: 0.6,-17.825 7.375,-8.975
  rectangle: 0.6,-37.675 7.375,-29.525
  rectangle: 13.875,-16.925 20.65,-8.925
  rectangle: 13.975,-26.85 20.75,-18.85
  rectangle: 13.775,-36.125 20.55,-28.125
Top Solder:
  rectangle: 13.95,-35.625 20.55,12.4
Bottom Solder:
  region: 11.639,-37.506 28.146,-21.961 25.652,-19.313 9.146,-34.858
  rectangle: 5,-37.525 11.7,-33.25
  region: 11.235,-26.451 26.371,-15.435 24.2,-12.451 9.063,-23.467
  rectangle: 4.9,-26.475 11.425,-22.45
  region: 12.631,-16.523 24.355,-11.161 22.698,-7.537 10.974,-12.899
  rectangle: 4.875,-16.525 12.65,-12.825
  rectangle: 4.8,-28.725 7.25,-19.15
  rectangle: 4.8,-37.575 7.275,-29.7
  rectangle: 22.725,-11.55 29.8,-7.525
  rectangle: 24.1,-16.975 29.8,-12.525
  rectangle: 24.225,-22.65 29.775,-18.075
  rectangle: 4.875,-18.2 7.3,-11.05
  rectangle: 11.075,1.425 31.525,6.375
  rectangle: 6.275,-5.75 11.5,8.825
  region: 2.579,-12.114 11.53,-5.736 9.151,-2.397 0.2,-8.775
  rectangle: -4.75,-12.075 1.55,-8.675
  rectangle: 0.45,-32.65 3.525,-8.675
  rectangle: -4.875,-22.225 1.7,-18.825
  rectangle: -4.85,-32.6 1.725,-29.2
Mechanical 1:
  circle w0.013: c0.031,-0.087 r6
Mechanical 3: